# Altium PCB Booster_Main_Board.PcbDoc (part 5 of 13)
Units mm, origin at the board's own origin, x right, y up, seen from the top; angles counter-clockwise.
Board outline 400.01 x 117.51 mm, 4 copper layers (Component Side, Signal Layer 1, Power Plane, Solder Side), stack 1.604 mm thick; 1091 components, 573 nets, 3133 pads, 1954 vias.
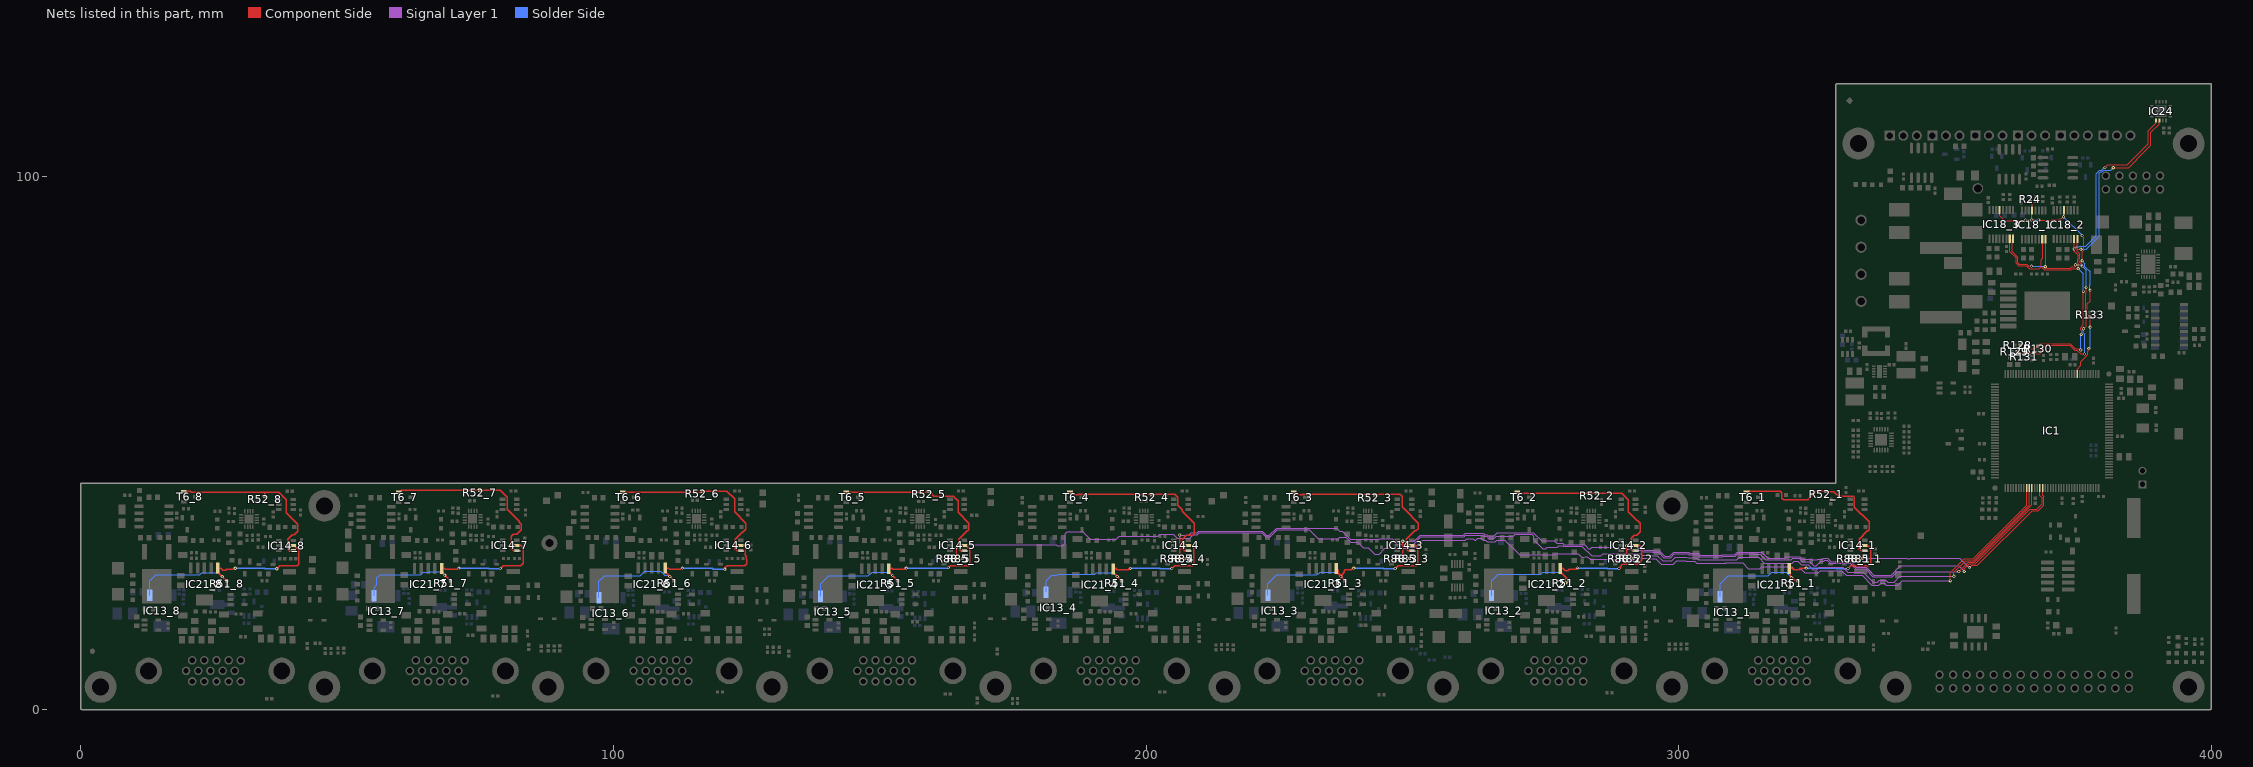
[diagram p7: the nets of this part, all layers, seen from the top]

## Via types
v1: diameter 0.6, hole 0.3, Component Side to Solder Side, tented both sides, 1808 vias
v2: diameter 0.6, hole 0.3, Component Side to Solder Side, 77 vias
v3: diameter 0.5, hole 0.3, Component Side to Solder Side, 40 vias
v4: diameter 1.27, hole 0.711, Component Side to Solder Side, tented both sides, 24 vias
v5: diameter 1.2, hole 0.8, Component Side to Solder Side, tented both sides, 5 vias

## Nets (pads, with @x,y where several pads share a name; then routed paths per layer and width w, separated by ;. In a path a pad name is that pad's centre, name@x,y a point inside that pad or via, vN(x,y) a via of type N, cw(c..) or ccw(c..) an arc to the next point about the centre after c; other vN are vias at no path point) (continued)
EN_PWR_CH3: IC1.117 R85_5.2 R88_5.2 | length 229.8
  Component Side w0.152: v1(164.42,30.474) 164.42,28.35 164.291,28.22 R88_5.2@164.291,28.35 R85_5.2@165.408,28.35 ; v1(350.977,24.155) 350.977,25.679 353.619,28.321 355.303,28.321 365.303,38.32 IC1.117@365.303,41.599
  Signal Layer 1 w0.152: v1(164.42,30.474) 164.879,30.932 183.149,30.932 183.322,30.759 184.379,30.759 184.836,31.217 184.836,32.995 185.191,33.35 188.112,33.35 189.535,31.928 194.376,31.928 194.984,32.536 202.183,32.536 202.565,32.918 205.054,32.918 205.842,32.131 208.153,32.131 208.859,32.837 209.633,32.837 209.983,33.187 221.69,33.187 222.464,32.414 223.281,32.414 224.622,33.755 230.633,33.755 232.334,32.055 234.987,32.055 234.991,32.051 236.068,32.051 236.325,32.308 237.525,32.308 238.412,31.42 239.751,31.42 240.783,30.387 241.697,30.387 242.895,29.189 243.729,29.189 244.825,30.285 245.925,30.285 249.166,30.285 249.34,30.459 250.499,30.459 251.851,31.811 259.939,31.811 260.207,32.079 261.395,32.079 261.673,31.801 261.906,31.801 262.243,32.138 262.934,32.138 263.271,31.801 263.756,31.801 264.071,31.486 265.519,31.486 265.834,31.801 267.336,31.801 270.121,29.015 276.654,29.015 276.849,29.21 281.153,29.21 281.788,28.575 282.288,28.575 282.413,28.701 282.851,28.701 283.336,28.216 287.881,28.216 288.183,27.913 291.34,27.913 292.109,28.683 292.547,28.683 292.842,28.387 294.273,28.387 294.368,28.292 295.703,28.292 296.708,27.287 298.957,27.287 299.634,27.964 301.277,27.964 301.393,27.849 303.007,27.849 303.373,27.482 308.777,27.482 308.822,27.526 311.996,27.526 313.076,26.446 315.196,26.446 315.551,26.802 321.219,26.802 321.695,26.325 322.962,26.325 323.625,25.662 326.188,25.662 326.617,26.091 330.5,26.091 331.419,25.171 334.416,25.171 336.271,23.317 337.532,23.317 337.908,23.693 338.622,23.693 338.999,23.317 341.122,23.317 341.96,24.155 v1(350.977,24.155)
EN_PWR_CH4: IC1.118 R85_4.2 R88_4.2 | length 185.4
  Component Side w0.152: v1(351.663,25.019) 351.663,25.767 353.862,27.965 355.379,27.965 365.803,38.389 IC1.118@365.803,41.599
  Component Side w0.254: R88_4.2@206.291,28.35 R88_4.2@206.397,28.35 ; v1(206.299,32.766) 206.299,28.448 R88_4.2@206.397,28.35 ; R85_4.2@207.408,28.35 R88_4.2@206.397,28.35
  Signal Layer 1 w0.152: v1(206.299,32.766) 208.001,32.766 208.432,33.198 209.562,33.198 209.856,33.492 221.817,33.492 222.59,32.719 223.155,32.719 224.496,34.06 235.802,34.06 236.391,33.471 236.792,33.471 238.305,31.958 243.742,31.958 243.845,32.061 244.283,32.061 244.319,32.025 246.206,32.025 247.162,31.069 250.247,31.069 251.598,32.421 259.686,32.421 259.954,32.689 261.932,32.689 261.991,32.747 263.186,32.747 263.428,32.505 263.914,32.505 264.324,32.096 265.266,32.096 265.688,32.517 268.957,32.517 269.332,32.892 272.437,32.892 272.772,32.557 272.772,31.915 274.482,30.205 274.996,30.205 275.271,30.48 277.231,30.48 277.505,30.755 278.211,30.755 278.325,30.641 281.816,30.641 283.631,28.825 285.351,28.825 285.818,29.292 292.799,29.292 293.094,28.997 294.798,28.997 294.894,28.902 295.955,28.902 296.96,27.897 298.705,27.897 299.382,28.574 301.53,28.574 301.645,28.458 303.259,28.458 303.625,28.092 308.525,28.092 308.569,28.136 310.87,28.136 311.308,28.574 313.323,28.574 313.348,28.599 313.786,28.599 313.812,28.574 315.006,28.574 316.088,27.491 321.334,27.491 321.651,27.808 322.341,27.808 322.971,27.178 324.294,27.178 325.2,26.272 325.936,26.272 326.364,26.7 330.802,26.7 331.696,25.806 334.645,25.806 336.525,23.927 337.279,23.927 337.655,24.303 338.875,24.303 339.251,23.927 340.41,23.927 341.502,25.019 v1(351.663,25.019)
EN_PWR_CH5: IC1.119 R85_3.2 R88_3.2 | length 138.4
  Component Side w0.152: v1(352.552,25.908) 354.305,27.661 355.505,27.661 366.303,38.458 IC1.119@366.303,41.599
  Component Side w0.254: v1(248.183,31.598) 248.183,28.457 R88_3.2@248.291,28.35 R85_3.2@249.408,28.35
  Signal Layer 1 w0.152: v1(248.183,31.598) 250.344,31.598 251.472,32.725 259.56,32.725 259.887,33.052 263.312,33.052 263.555,32.81 264.04,32.81 264.45,32.4 265.14,32.4 265.936,33.197 272.708,33.197 274.231,31.674 276.163,31.674 276.184,31.694 276.622,31.694 277.104,31.212 278.185,31.212 278.451,30.946 282.338,30.946 282.681,30.602 282.681,30.54 282.996,30.226 283.337,30.226 283.342,30.231 283.429,30.231 283.667,30.469 287.742,30.469 288.111,30.099 292.118,30.099 292.315,29.902 293.052,29.902 293.347,29.607 295.051,29.607 295.146,29.511 296.208,29.511 297.213,28.506 298.452,28.506 299.155,29.209 301.757,29.209 301.898,29.068 303.512,29.068 303.878,28.701 308.272,28.701 308.317,28.746 310.618,28.746 311.081,29.209 314.039,29.209 314.064,29.183 315.258,29.183 316.341,28.101 321.081,28.101 321.398,28.418 322.594,28.418 323.224,27.788 324.604,27.788 324.999,27.392 324.999,27.335 325.309,27.025 325.827,27.025 326.68,27.878 327.18,27.878 327.365,28.062 327.832,28.062 328.458,27.437 332.177,27.437 333.198,26.416 335.078,26.416 335.818,25.675 335.818,25.537 336.433,24.922 340.06,24.922 341.046,25.908 345.302,25.908 345.348,25.862 345.786,25.862 345.832,25.908 v1(352.552,25.908)
EN_PWR_CH6: IC1.122 R85_2.2 R88_2.2 | length 95.8
  Component Side w0.152: v1(353.593,25.933) 353.593,26.427 354.522,27.356 355.631,27.356 365.867,37.592 367.193,37.592 368.219,38.618 368.219,39.756 367.803,40.172 IC1.122@367.803,41.599
  Component Side w0.254: R88_2.2@290.119,28.325 R88_2.2@290.246,28.325 ; v1(290.246,30.734) R88_2.2@290.246,28.325 ; R88_2.2@290.291,28.35 R88_2.2@290.291,28.325 ; R85_2.2@291.357,28.325 R88_2.2@290.291,28.325 ; R88_2.2@290.246,28.325 R88_2.2@290.291,28.325 ; R88_2.2@290.246,28.325 290.246,28.169 290.291,28.124 R88_2.2@290.291,28.325
  Signal Layer 1 w0.152: v1(290.246,30.734) 291.914,30.734 292.441,30.207 293.178,30.207 293.473,29.911 295.177,29.911 295.272,29.816 296.334,29.816 297.339,28.811 298.326,28.811 299.029,29.514 301.883,29.514 302.024,29.373 303.638,29.373 304.004,29.006 308.146,29.006 308.19,29.05 310.491,29.05 310.955,29.514 314.165,29.514 314.191,29.488 315.622,29.488 316.704,28.406 319.906,28.406 320.223,28.723 322.72,28.723 323.26,28.183 324.789,28.183 324.889,28.083 325.97,28.083 326.07,28.183 327.054,28.183 327.239,28.367 327.959,28.367 328.584,27.742 332.303,27.742 333.324,26.721 335.204,26.721 336.123,25.802 336.123,25.664 336.56,25.227 339.882,25.227 341.605,26.949 352.577,26.949 v1(353.593,25.933)
EN_PWR_CH7: IC1.123 R85_1.2 R88_1.2 | length 45.8
  Component Side w0.152: v1(354.559,26.645) 354.965,27.051 356.083,27.051 366.319,37.287 367.486,37.287 368.529,38.33 368.529,40.03 368.303,40.257 IC1.123@368.303,41.599
  Component Side w0.254: R88_1.2@333.291,28.35 333.832,28.35 ; v1(333.832,27.711) 333.832,28.35 ; R85_1.2@334.408,28.35 333.832,28.35
  Signal Layer 1 w0.152: v1(333.832,27.711) 334.559,28.439 338.175,28.439 338.186,28.427 340.731,28.427 340.747,28.443 342.783,28.443 342.907,28.32 343.367,28.32 343.49,28.443 352.76,28.443 v1(354.559,26.645)
EN_PWR_VCC_1: IC14_1.4 R52_1.2 T6_1.1 | length 36
  Component Side w0.254: R52_1.2@327.647,40.902 327.592,40.958 325.848,40.958 324.26,39.37 319.689,39.37 319.349,39.71 319.349,40.685 319.07,40.964 315.374,40.964 315.367,40.958 T6_1.1@313.068,40.958 ; R52_1.2@327.737,40.902 329.091,40.902 329.989,40.004 331.497,40.004 331.535,40.042 332.817,40.042 332.981,39.879 332.981,38.002 335.733,35.25 335.733,33.738 335.569,33.575 335.428,33.575 333.837,31.983 333.837,31.783 333.811,31.758 333.811,30.209 334.243,29.777 334.795,29.777 IC14_1.4@334.882,29.864 ; T6_1.1@313.068,40.958 312.92,40.81 T6_1.1@312.713,40.81 312.861,40.958 T6_1.1@313.068,40.958
EN_PWR_VCC_2: IC14_2.4 R52_2.2 T6_2.1 | length 33.9
  Component Side w0.254: T6_2.1@269.533,40.63 T6_2.1@269.713,40.81 269.911,40.612 270.141,40.612 270.145,40.608 284.573,40.608 289.312,40.608 290.526,39.394 290.526,37.118 291.642,36.002 291.674,36.002 292.733,34.944 292.733,33.332 292.126,32.725 291.623,32.725 291.077,32.18 291.077,29.943 291.243,29.777 291.795,29.777 IC14_2.4@291.882,29.864
EN_PWR_VCC_3: IC14_3.4 R52_3.2 T6_3.1 | length 34.5
  Component Side w0.254: T6_3.1@227.713,40.81 T6_3.1@227.913,40.81 ; T6_3.1@227.957,40.81 T6_3.1@227.913,40.81 ; R52_3.2@242.898,40.254 R52_3.2@242.898,40.464 ; IC14_3.4@249.882,29.864 249.795,29.777 249.243,29.777 248.811,30.209 248.811,31.758 248.837,31.783 248.837,31.983 250.428,33.575 250.664,33.575 251.074,33.985 251.074,34.997 249.896,36.175 249.896,36.266 248.076,38.086 248.076,39.944 247.947,40.073 247.947,40.145 247.627,40.464 R52_3.2@242.898,40.464 ; T6_3.1@227.913,40.81 228.111,40.612 228.111,40.507 228.26,40.358 229.266,40.358 229.372,40.464 R52_3.2@242.898,40.464
EN_PWR_VCC_4: IC14_4.4 R52_4.2 T6_4.1 | length 34.6
  Component Side w0.254: T6_4.1@185.713,40.81 185.913,40.81 186.111,40.612 186.111,40.507 186.26,40.358 187.266,40.358 187.372,40.464 205.395,40.464 205.981,39.879 205.981,38.321 206.808,37.494 206.808,37.229 209.042,34.995 209.042,33.02 208.746,32.724 207.577,32.724 206.837,31.983 206.837,31.783 206.811,31.758 206.811,30.209 207.243,29.777 207.795,29.777 IC14_4.4@207.882,29.864
EN_PWR_VCC_5: IC14_5.4 R52_5.2 T6_5.1 | length 34
  Component Side w0.254: T6_5.1@143.533,40.63 T6_5.1@143.713,40.81 159.112,40.81 R52_5.2@159.223,40.921 159.386,40.758 159.441,40.758 160.157,40.042 163.817,40.042 164.485,39.375 164.561,39.375 164.71,39.226 164.71,37.025 166.733,35.002 166.733,33.738 166.569,33.575 166.428,33.575 164.837,31.983 164.837,31.783 164.811,31.758 164.811,30.902 165,30.714 165,30.02 165.243,29.777 165.795,29.777 IC14_5.4@165.882,29.864
EN_PWR_VCC_6: IC14_6.4 R52_6.2 T6_6.1 | length 34.1
  Component Side w0.254: T6_6.1@101.713,40.81 116.439,40.81 116.617,40.988 R52_6.2@116.637,40.988 121.297,40.988 122.75,39.536 122.75,37.109 124.872,34.988 124.872,33.877 124.296,33.301 124.155,33.301 122.837,31.983 122.837,31.783 122.811,31.758 122.811,30.209 123.243,29.777 123.795,29.777 IC14_6.4@123.882,29.864
EN_PWR_VCC_7: IC14_7.4 R52_7.2 T6_7.1 | length 34.6
  Component Side w0.254: T6_7.1@59.533,40.63 T6_7.1@59.713,40.81 59.913,40.81 60.111,41.008 60.111,41.012 60.26,41.161 R52_7.2@74.879,41.161 78.77,41.161 80.076,39.854 80.076,37.601 82.302,35.375 82.302,35.2 82.733,34.77 82.733,33.738 81.888,32.893 81.172,32.893 80.811,32.533 80.811,30.209 81.243,29.777 81.795,29.777 IC14_7.4@81.882,29.864
EN_PWR_VCC_8: IC14_8.4 R52_8.2 T6_8.1 | length 33.4
  Component Side w0.254: T6_8.1@19.291,40.934 19.252,40.934 19.202,40.984 20.538,40.984 20.741,40.781 34.473,40.781 ; R52_8.2@34.493,39.974 34.493,40.761 34.473,40.781 ; IC14_8.4@39.882,29.835 39.795,29.748 39.243,29.748 38.811,30.18 38.811,31.729 38.837,31.754 38.837,31.954 39.521,32.639 39.728,32.846 40.07,32.846 40.733,33.508 40.733,34.77 40.569,34.933 40.523,34.933 38.526,36.93 38.526,39.415 37.16,40.781 34.473,40.781
EN_RF_5V0_1: IC13_1.1 IC14_1.5 IC21_1.1 R51_1.2 | length 40.9
  Component Side w0.152: v1(321.167,24.765) v1@321.288,24.765
  Component Side w0.254: R51_1.2@322.407,24.146 322.364,24.189 321.864,24.189 321.354,24.699 321.327,24.699 321.101,24.925 321.101,24.952 320.908,25.145 320.908,26.38 320.728,26.56 321.264,26.56 321.549,26.275 322.552,26.275 322.831,26.554 v1(323.928,26.554) ; v1(331.779,26.47) 332.33,27.021 335.63,27.021 336.029,27.42 336.029,30.238 335.627,30.641 335.055,30.641 IC14_1.5@334.882,30.814
  Solder Side w0.152: IC13_1.1@307.773,21.134 307.773,23.578 309.315,25.121 316.84,25.121 317.5,25.781 320.151,25.781 v1(321.167,24.765)
  Solder Side w0.254: v1@323.981,26.572 324.027,26.526 325.994,26.526 326.04,26.572 329.544,26.572 329.646,26.47 v1(331.779,26.47)
EN_RF_5V0_2: IC13_2.1 IC14_2.5 IC21_2.1 R51_2.2 | length 42.8
  Component Side w0.152: v1(278.768,23.808) 278.889,23.808 279.014,23.933 279.193,23.933 R51_2.2@279.407,24.146
  Component Side w0.254: R51_2.2@279.407,24.146 277.728,25.825 IC21_2.1@277.728,26.495 277.728,26.56 278.264,26.56 278.307,26.517 278.307,26.43 278.646,26.091 279.126,26.091 279.395,26.36 280.632,26.36 280.866,26.594 v1(280.975,26.594) ; v1(288.779,26.47) 289.221,26.912 289.221,27.173 289.37,27.322 292.315,27.322 292.949,27.956 292.949,28.06 293.029,28.14 293.029,30.349 292.564,30.814 IC14_2.5@291.882,30.814
  Solder Side w0.152: IC13_2.1@264.857,21.407 264.857,24.133 266.098,25.375 274.115,25.375 274.468,25.728 274.665,25.728 274.692,25.754 276.109,25.754 276.13,25.734 277.819,25.734 278.738,24.815 278.738,23.845 278.768,23.815 v1(278.768,23.808)
  Solder Side w0.254: v1@280.981,26.572 286.544,26.572 286.646,26.47 v1(288.779,26.47)
EN_RF_5V0_3: IC13_3.1 IC14_3.5 IC21_3.1 R51_3.2 | length 41.8
  Component Side w0.254: IC21_3.1@235.728,26.56 IC21_3.1@235.728,26.514 ; R51_3.2@237.407,24.146 v1(236.567,24.986) 235.728,25.825 IC21_3.1@235.728,26.514 ; v1(238.981,26.547) 238.819,26.547 238.515,26.243 237.425,26.243 237.237,26.055 237.237,25.744 236.628,25.135 236.048,25.714 236.048,26.194 IC21_3.1@235.728,26.514 ; v1(246.779,26.47) 247.33,27.021 250.63,27.021 251.029,27.42 251.029,30.233 250.948,30.314 250.948,30.429 250.564,30.814 IC14_3.5@249.882,30.814
  Solder Side w0.152: IC13_3.1@222.877,21.486 222.877,23.64 224.561,25.324 232.067,25.324 232.192,25.449 232.387,25.449 232.692,25.754 233.508,25.754 233.528,25.734 235.819,25.734 v1(236.567,24.986)
  Solder Side w0.254: v1@238.981,26.572 244.544,26.572 244.646,26.47 v1(246.779,26.47)
EN_RF_5V0_4: IC13_4.1 IC14_4.5 IC21_4.1 R51_4.2 | length 39.7
  Component Side w0.254: IC21_4.1@193.728,26.56 193.728,25.825 v1(194.567,24.986) R51_4.2@195.407,24.146 ; IC21_4.1@193.787,26.513 194.322,26.513 194.563,26.272 196.65,26.272 196.877,26.499 v1(197.04,26.499) ; v1(204.779,26.47) 205.33,27.021 208.63,27.021 208.927,27.319 208.927,30.45 208.564,30.814 IC14_4.5@207.882,30.814
  Solder Side w0.152: IC13_4.1@181.213,21.979 181.213,24.162 182.25,25.199 183.243,25.199 183.469,25.425 190.321,25.425 190.602,25.707 191.179,25.707 191.186,25.7 193.853,25.7 v1(194.567,24.986)
  Solder Side w0.254: v1@196.981,26.572 202.544,26.572 202.646,26.47 v1(204.779,26.47)
EN_RF_5V0_5: IC13_5.1 IC14_5.5 IC21_5.1 R51_5.2 | length 39.8
  Component Side w0.254: R51_5.2@153.407,24.146 v1(152.398,25.155) 151.728,25.825 151.728,26.56 152.264,26.56 152.464,26.36 154.632,26.36 154.819,26.547 v1(154.981,26.547) ; v1(162.89,26.67) 162.979,26.67 163.33,27.021 166.6,27.021 166.917,27.339 166.917,30.048 166.523,30.443 166.477,30.443 166.107,30.814 IC14_5.5@165.882,30.814
  Solder Side w0.152: IC13_5.1@138.885,21.266 138.885,23.575 140.389,25.079 147.827,25.079 148.539,25.791 151.762,25.791 v1(152.398,25.155)
  Solder Side w0.254: v1@154.981,26.572 162.792,26.572 v1(162.89,26.67)
EN_RF_5V0_6: IC13_6.1 IC14_6.5 IC21_6.1 R51_6.2 | length 41.2
  Component Side w0.254: R51_6.2@111.407,24.146 v1(110.567,24.986) 109.728,25.825 IC21_6.1@109.728,26.56 110.264,26.56 110.53,26.294 112.566,26.294 112.819,26.547 v1(112.981,26.547) ; v1(120.928,26.354) 120.928,26.619 121.33,27.021 124.63,27.021 124.989,27.38 124.989,27.545 125.029,27.585 125.029,28.234 124.917,28.345 124.917,28.776 124.737,28.956 124.737,30.64 124.564,30.814 IC14_6.5@123.882,30.814
  Solder Side w0.203: IC13_6.1@97.278,20.987 97.278,24.05 98.374,25.146 105.022,25.146 105.863,25.987 108.842,25.987 109.629,25.2 110.353,25.2 v1(110.567,24.986)
  Solder Side w0.254: v1@112.981,26.572 118.544,26.572 118.767,26.349 120.923,26.349 v1(120.928,26.354)
EN_RF_5V0_7: IC13_7.1 IC14_7.5 IC21_7.1 R51_7.2 | length 40.4
  Component Side w0.254: R51_7.2@69.407,24.146 v1(68.345,25.208) 67.728,25.825 67.728,26.56 68.264,26.56 68.53,26.294 70.566,26.294 70.819,26.547 v1(70.981,26.547) ; v1(78.779,26.47) 79.33,27.021 82.63,27.021 83.029,27.42 83.029,30.349 82.564,30.814 IC14_7.5@81.882,30.814
  Solder Side w0.152: IC13_7.1@55.059,21.361 55.059,22.889 55.581,23.412 55.581,24.708 56.203,25.33 63.808,25.33 64.298,25.821 65.491,25.821 65.507,25.837 67.716,25.837 v1(68.345,25.208)
  Solder Side w0.254: v1@70.981,26.572 76.544,26.572 76.646,26.47 v1(78.779,26.47)
EN_RF_5V0_8: IC13_8.1 IC14_8.5 IC21_8.1 R51_8.2 | length 40.4
  Component Side w0.152: R51_8.2@27.387,24.117 R51_8.2@27.407,24.117
  Component Side w0.254: R51_8.2@27.407,24.117 v1(26.567,24.957) 25.728,25.796 25.728,26.531 26.264,26.531 26.628,26.167 27.189,26.167 27.353,26.331 28.632,26.331 28.819,26.518 v1(28.981,26.518) ; v1(36.779,26.441) 37.33,26.992 40.629,26.992 40.917,27.28 40.917,30.019 40.523,30.414 40.477,30.414 40.107,30.785 IC14_8.5@39.882,30.785
  Solder Side w0.152: IC13_8.1@12.946,21.418 12.946,24.184 14.075,25.312 22.319,25.312 22.726,25.719 25.805,25.719 v1(26.567,24.957)
  Solder Side w0.254: v1@28.981,26.543 34.544,26.543 34.646,26.441 v1(36.779,26.441)
FAN_I2C_SCL: IC18_1.16 IC18_2.16 IC18_3.16 IC24.2 R129.2 R131.2 | length 95
  Component Side w0.152: IC18_3.16@362.776,88.404 362.648,88.277 362.648,85.915 363.67,84.893 363.67,83.856 363.939,83.587 365.326,83.587 365.659,83.254 v1(366.227,83.254) ; R129.2@363.53,67.168 363.53,67.148 363.743,66.934 363.928,66.934 363.97,66.892 364.662,66.892 R131.2@364.866,66.688 365.08,66.902 365.472,66.902 365.625,67.054 366.698,67.054 366.961,66.791 367.854,66.791 368.002,66.94 368.002,67.506 368.875,68.379 373.381,68.379 373.884,67.876 373.91,67.876 374.318,67.467 374.749,67.467 375.462,66.754 v1(376.174,66.754) ; IC18_1.16@368.876,88.304 368.876,83.218 v1(368.785,83.127) 369.073,82.84 373.573,82.84 373.823,83.09 374.392,83.09 374.478,83.176 v1(374.478,83.504) ; IC18_2.16@374.851,88.354 374.851,86.489 ; v1(375.488,86.42) 374.919,86.42 374.851,86.489 ; v1(375.728,83.254) 375.728,83.506 375.2,84.035 375.2,84.473 375.312,84.585 375.312,85.546 374.851,86.007 374.851,86.489 ; v1(375.978,71.504) 376.478,72.004 376.478,73.982 376.385,74.076 376.385,78.164 376.506,78.285 376.506,79.226 v1(376.478,79.254) ; v1(381.578,101.726) 382.3,101.726 382.328,101.754 384.455,101.754 385.955,103.254 385.955,103.293 388.628,105.966 388.628,108.339 390.211,109.922 IC24.2@390.211,110.57
  Solder Side w0.152: v1(366.227,83.254) 366.289,83.192 368.721,83.192 v1(368.785,83.127) ; v1(374.478,83.504) 375.478,83.504 v1(375.728,83.254) 376.478,82.504 v1(376.478,79.254) ; v1(375.488,86.42) 376.478,86.42 378.928,88.87 378.928,100.722 379.193,100.987 379.517,100.987 379.761,101.231 381.083,101.231 v1(381.578,101.726) ; v1(375.978,71.504) 375.978,70.754 376.227,70.505 v1@376.227,66.755 ; v1(376.174,66.754) v1@376.227,66.754
FAN_I2C_SDA: IC18_1.15 IC18_2.15 IC18_3.15 IC24.1 R128.2 R130.2 | length 92
  Component Side w0.152: IC18_3.15@362.141,88.404 362.141,85.992 363.341,84.791 363.341,83.754 363.813,83.282 365.2,83.282 365.757,82.725 366.446,82.725 366.475,82.754 367.681,82.754 368.078,83.152 ; R128.2@364.071,68.429 364.285,68.215 364.285,68.134 364.703,67.716 366.895,67.716 367.434,68.255 367.474,68.255 367.683,68.464 367.683,68.514 367.859,68.69 373.527,68.69 374.444,67.772 375.21,67.772 v1(375.478,67.504) ; IC18_1.15@368.241,88.304 368.329,88.216 368.329,84.68 368.078,84.429 368.078,83.152 ; IC18_2.15@374.2,88.338 IC18_2.15@374.216,88.354 v1(374.216,86.463) 374.216,86.038 375.007,85.247 375.007,84.711 374.895,84.599 374.895,83.909 375.007,83.797 v1(375.007,82.785) 373.95,82.785 373.7,82.535 368.63,82.535 368.257,82.908 368.257,82.973 368.078,83.152 ; v1(375.547,70.434) 375.547,70.324 375.621,70.324 375.663,70.367 375.663,71.071 375.45,71.285 375.45,71.723 375.977,72.251 v1(375.977,78.504) ; v1(380.014,101.777) 380.492,102.255 384.185,102.255 388.177,106.247 388.177,108.676 389.561,110.059 IC24.1@389.561,110.57
  Solder Side w0.152: v1(374.216,86.463) 374.607,86.855 375.175,86.855 375.269,86.949 376.371,86.949 378.347,88.925 378.347,100.572 379.067,101.292 379.39,101.292 379.635,101.536 379.652,101.536 379.893,101.777 v1(380.014,101.777) ; v1(375.007,82.785) 375.95,81.842 375.95,78.532 v1(375.977,78.504) ; v1(375.478,67.504) 375.478,70.366 v1(375.547,70.434)
FANN: IC1.45 IC18_1.5 IC18_2.5 IC18_3.5 R24.2 R133.1 | length 52
  Component Side w0.152: IC18_3.5@360.236,93.804 360.236,92.704 361.136,91.804 364.516,91.804 364.592,91.88 365.091,91.88 v1(365.121,91.91) ; R24.2@365.978,95.359 366.336,95.002 IC18_1.5@366.336,93.704 366.278,93.646 v1(366.278,91.904) ; v1(367.603,91.929) 367.628,91.904 369.997,91.904 370.015,91.922 371.336,91.922 371.515,92.101 371.824,92.101 v1(372.227,92.504) ; v1@372.311,92.504 IC18_2.5@372.311,93.754 ; IC1.45@374.803,62.999 374.803,63.927 375.506,64.63 375.506,65.284 376.702,66.48 376.702,66.614 376.757,66.668 376.757,67.283 376.977,67.503 v1(376.977,67.754) ; v1(375.728,84.254) 375.728,85.913 376.017,86.201 376.017,88.594 375.728,88.883 v1(375.728,89.004) ; v1(377.227,78.754) 377.227,76.686 376.69,76.148 376.69,74.202 377.208,73.683 R133.1@377.228,73.683 v1(377.228,71.754)
  Solder Side w0.152: v1(365.121,91.91) 365.148,91.937 366.245,91.937 v1(366.278,91.904) 366.303,91.929 v1(367.603,91.929) ; v1(372.227,92.504) v1(375.728,89.004) ; v1(375.728,84.254) 376.257,83.725 376.257,83.156 377.227,82.186 377.227,79.751 377.2,79.723 377.2,78.781 v1(377.227,78.754) ; v1(376.977,67.754) 377.256,68.032 377.256,70.973 377.228,71.001 v1(377.228,71.754)